# Altium PCB PCB2.PcbDoc (part 1 of 3) (continued)
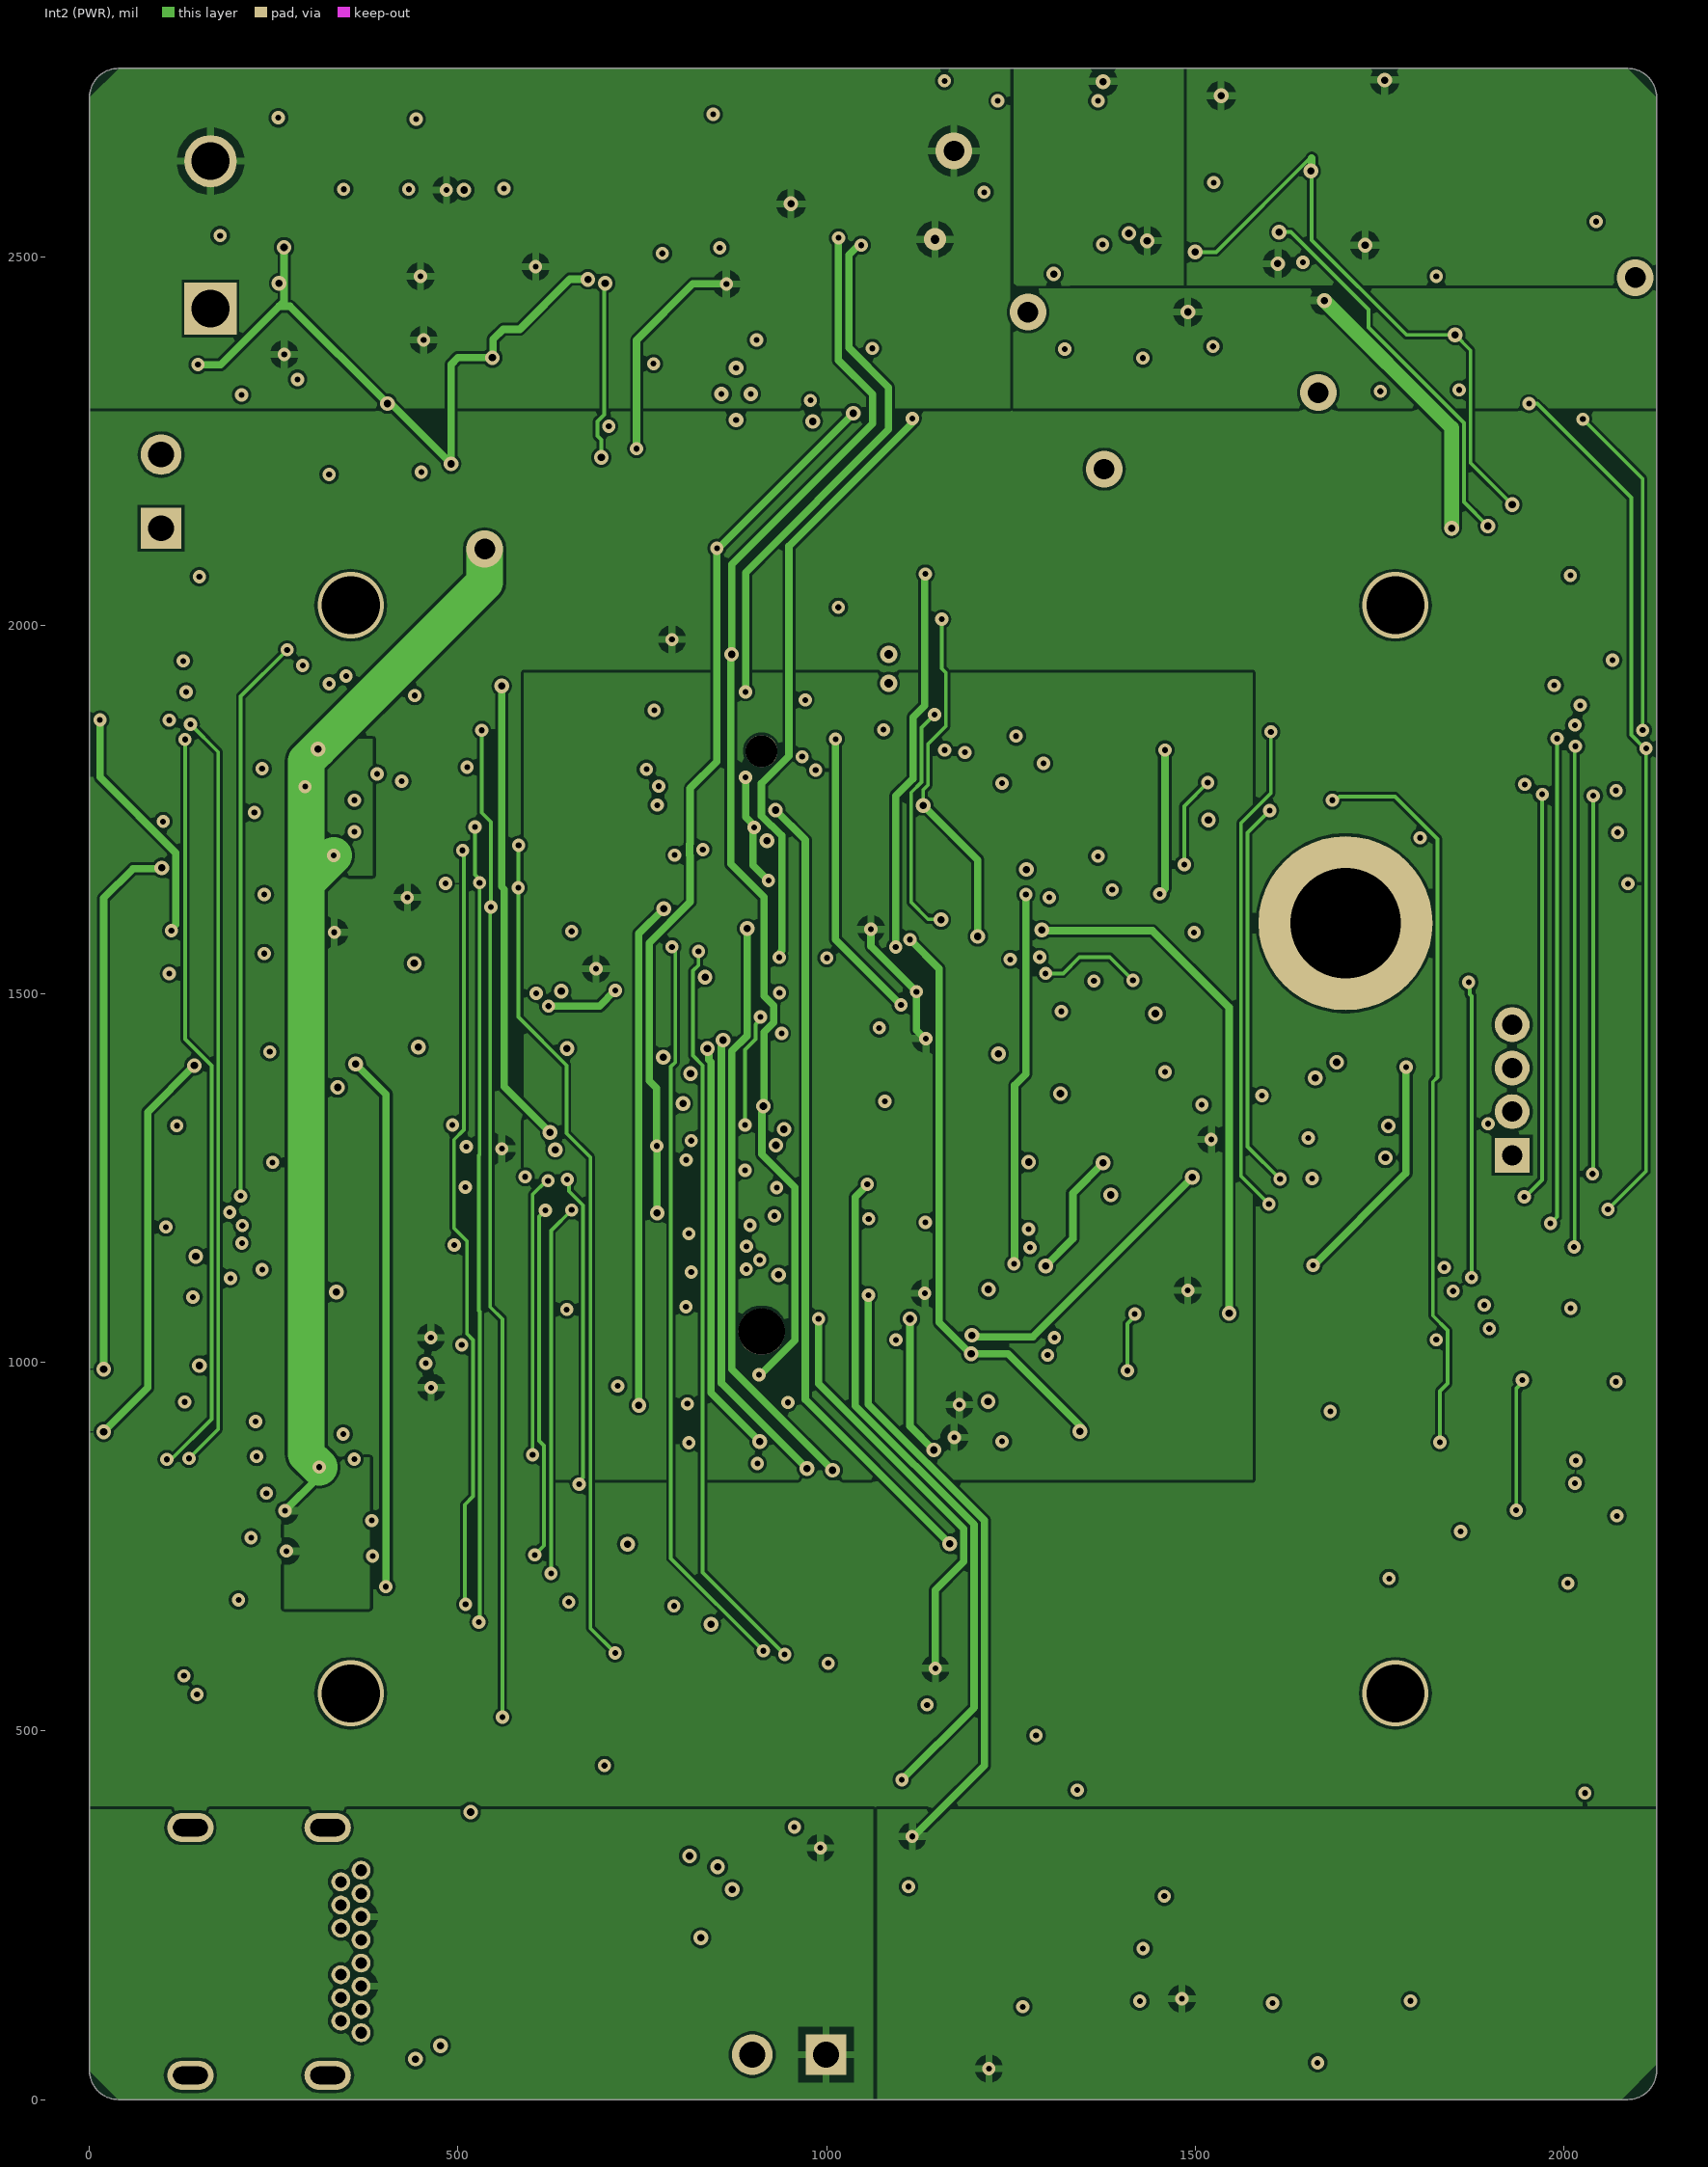
[diagram p3: Int2 (PWR)]
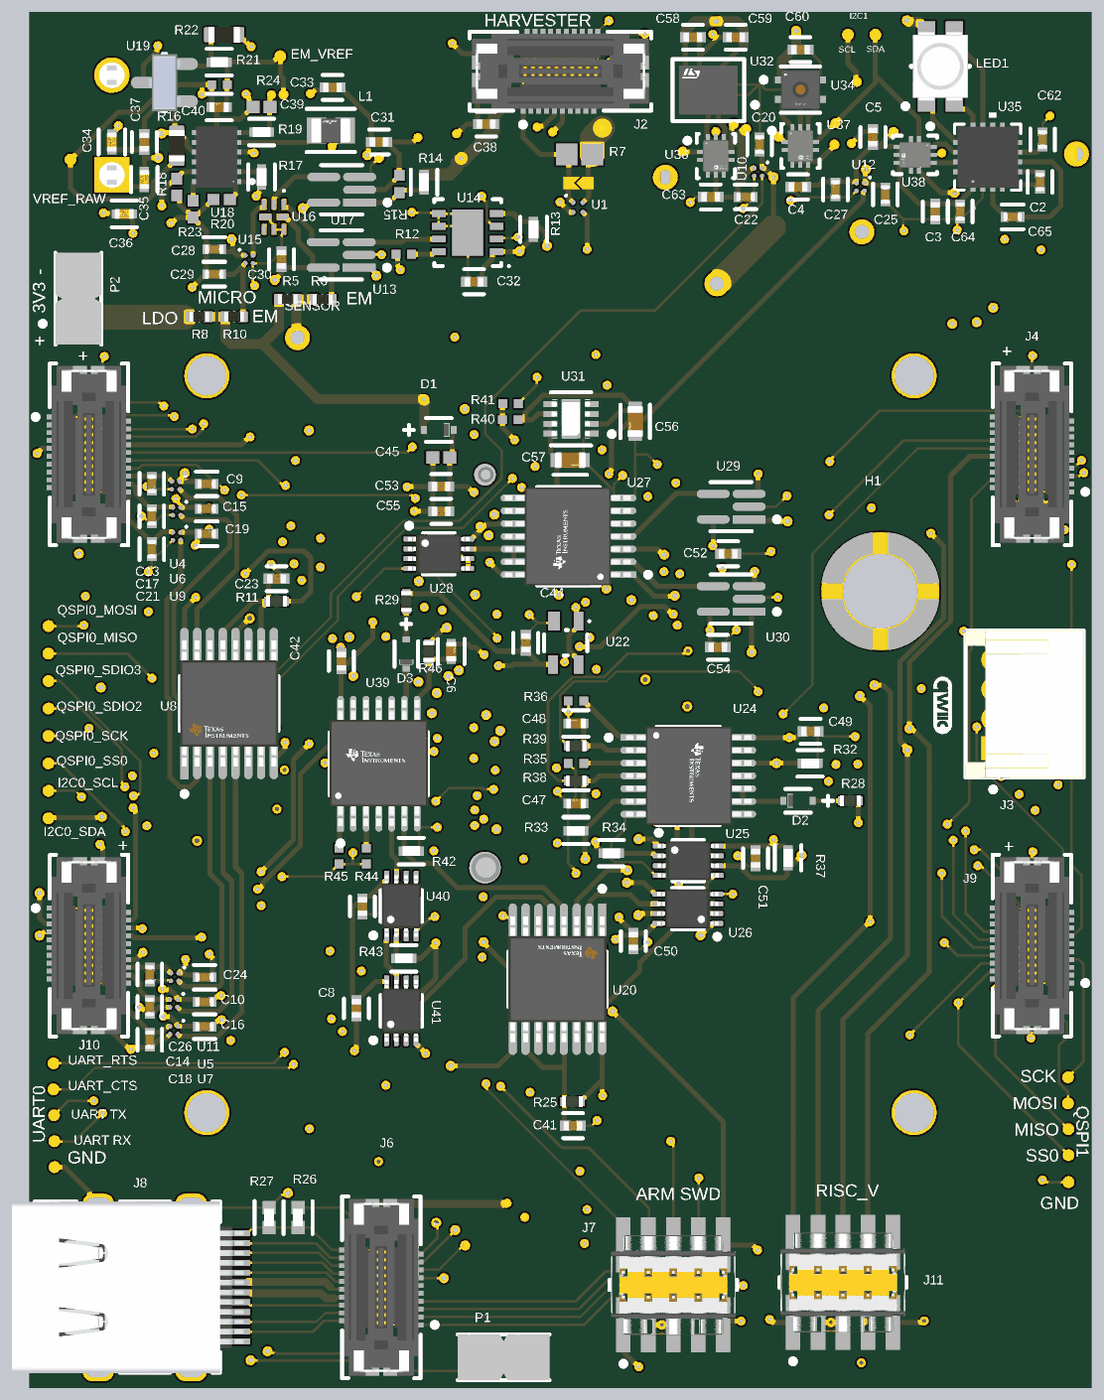
[diagram p6: 3D render of the assembled board from above, using the file's embedded part models]
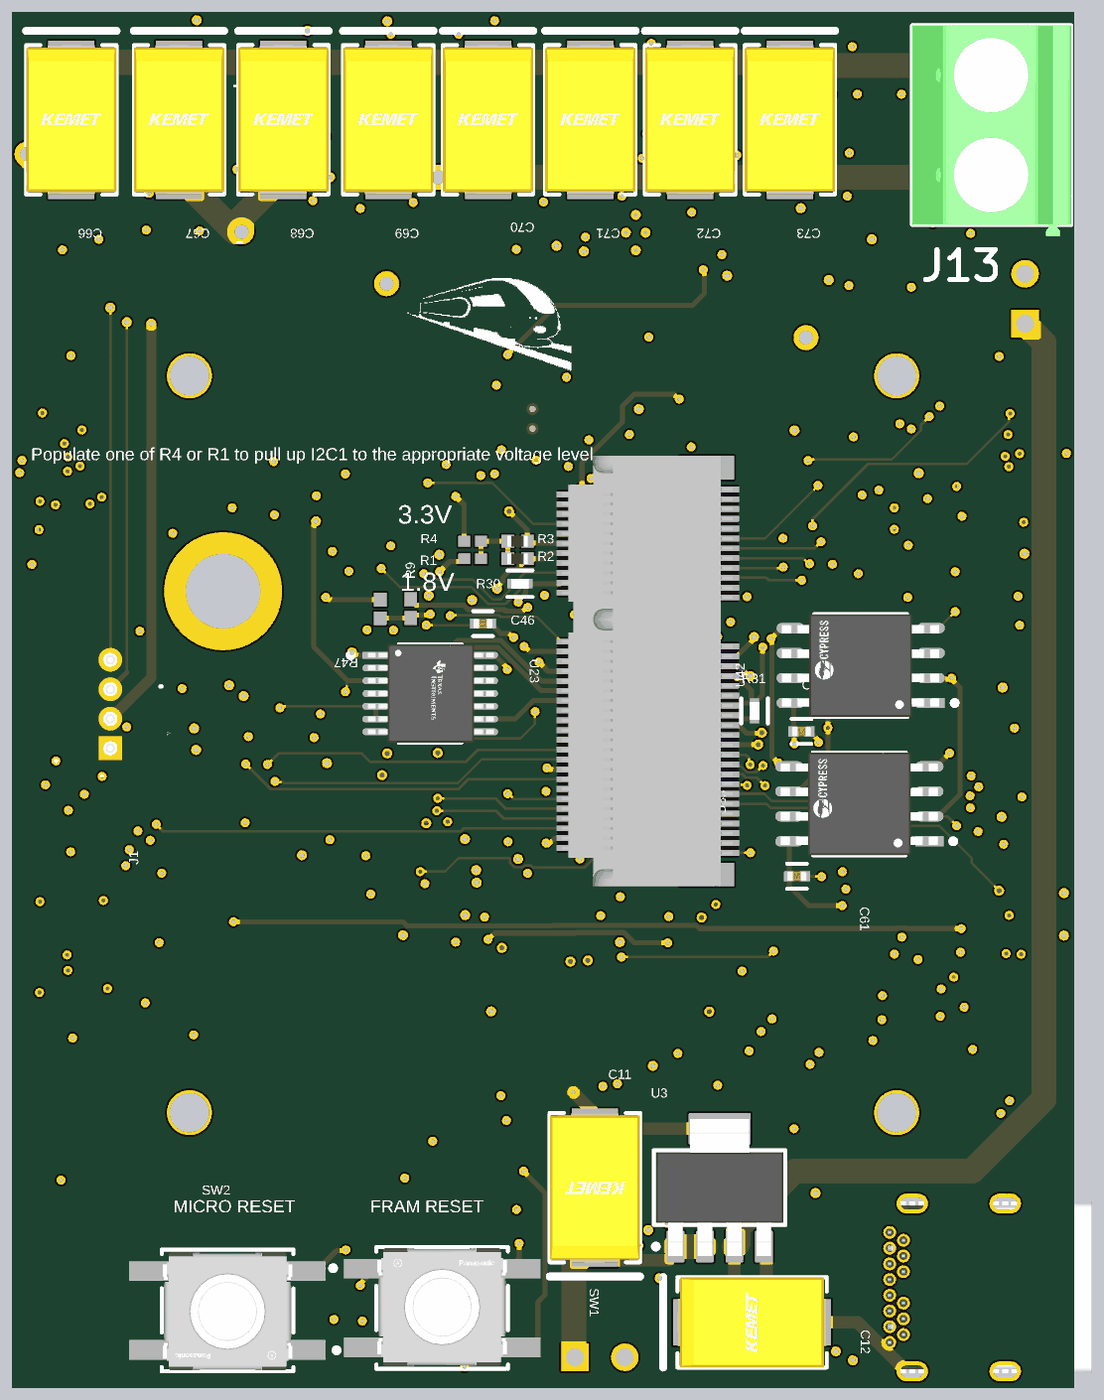
[diagram p7: 3D render of the assembled board from below, using the file's embedded part models]

## Layer stack, top to bottom
Top Solder: solder mask 1, SM-001, Dk 4
Top Layer: signal copper 1.378
Dielectric 1: prepreg 5.1, PP-017, Dk 4.3
Dielectric 2: prepreg 5.1, PP-017, Dk 4.3
Int1 (GND): signal copper 1.378
Dielectric 3: core 28, Core-039, Dk 4.8
Int2 (PWR): signal copper 1.378
Dielectric 4: prepreg 5.1, PP-017, Dk 4.3
Dielectric 5: prepreg 5.1, PP-017, Dk 4.3
Bottom Layer: signal copper 1.378
Bottom Solder: solder mask 1, SM-001, Dk 4

## Board outline
0,39.37 ccw(c39.37,39.37) 39.37,0 2086.61,0 ccw(c2086.61,39.37) 2125.98,39.37 2125.98,2716.54 ccw(c2086.61,2716.54) 2086.61,2755.91 39.37,2755.91 ccw(c39.37,2716.54) 0,2716.54

## Design rules (kind name [scope] priority, off if disabled: settings)
Clearance [All] p1: gap=4 ignorepadtopadclearanceinfootprint=TRUE
DiffPairsRouting [All] p1: maxlimit=10 minlimit=4 mostfreqgap=7.09 toplayer_minwidth=4 toplayer_maxwidth=20 toplayer_prefwidth=15.75 midlayer1_minwidth=4 midlayer1_maxwidth=20 midlayer1_prefwidth=15.75 midlayer2_minwidth=4 midlayer2_maxwidth=20 midlayer2_prefwidth=15.75 bottomlayer_minwidth=4 bottomlayer_maxwidth=20 bottomlayer_prefwidth=15.75 maxuncoupledlength=500
PolygonConnect [All] p1: connectstyle=Relief reliefconductorwidth=10 reliefentries=4 polygonreliefangle="90 Angle" airgapwidth=10
RoutingVias [All] p1: holewidth=10 width=20 viastyle="Through Hole" minholewidth=8 minwidth=18 maxholewidth=28 maxwidth=50
SolderMaskExpansion [All] p1: expansion=4 istentingtop=FALSE
Width [All] p1: maxlimit=50 minlimit=4 preferedwidth=5
29 further rules are at their usual default settings.

## Classes and differential pairs
component class U_HRT1: C6 C7 C8 C42 D3 R42 R43 R44 R45 R46 U39 U40 U41
component class TOP: C41 R9 R25 R26 R27 R47 U20
component class U_CHRT: * C44 C45 C46 D1 R28 R29 R30 R31 U22 U23
component class HRT: C47 C48 C49 C50 C51 D2 R32 R33 R34 R35 R36 R37 R38 R39 U24 U25 U26
component class Cascade: C52 C53 C54 C55 C56 C57 R40 R41 U27 U28 U29 U30 U31
component class U_Sensors: C1 C2 C3 C4 C5 C58 C59 C60 C61 C62 C63 C64 C65 LED1 U32 U33 U34 U35 U36 U37 U38 U42
component class U_em_storage: C28 C29 C30 C31 C32 C33 C34 C35 C36 C37 C38 C39 C40 L1 R12 R13 R14 R15 R16 R17 R18 R19 R20 R21 R22 R23 R24 U13 U14 U15 U16 U17 U18 U19
component class U_Connectors: H1 I2C0_SCL I2C0_SDA J1 J2 J3 J4 J5 J6 J7 J8 J9 J10 J11 QSPI0_MISO qspi0_mosi QSPI0_SCK QSPI0_SDIO2 QSPI0_SDIO3 QSPI0_SS0 R1 R2 R3 R4 SW1 SW2 TP1 TP2 TP4 TP5 TP6 TP7 TP8 TP9 TP10 TP13 TP14 TP15 TP16 TP17 TP18 "UART RX" "UART TX" UART_CTS UART_RTS
component class U_Power: C9 C10 C11 C12 C13 C14 C15 C16 C17 C18 C19 C20 C21 C22 C23 C24 C25 C26 C27 C66 C67 C68 C69 C70 C71 C72 C73 em_vref J12 J13 P1 P2 R5 R6 R7 R8 R10 R11 U1 U3 U4 U5 U6 U7 U8 U9 U10 U11 U12 vref_raw
differential pair D: +D_P -D_N

## Components (designator, comment, footprint, x,y, rotation, side; value= is the part's Value field where it differs from the comment)
C1 "C0402C104K8PACTU" FP-C0402-BB-MFG 545.09,1314.94 r180 bottom value="0.10 μF"
C2 "GRT155R61C105KE01J" FP-GRM15-0_1-MFG 2024.09,2415.94 r270 top value=1uF
C3 "C0402C104K8PACTU" FP-C0402-BB-MFG 1814.09,2356.69 r270 top value="0.10 μF"
C4 "C0402C104K8PACTU" FP-C0402-BB-MFG 1539.09,2405.94 r180 top value="0.10 μF"
C5 "C0402C104K8PACTU" FP-C0402-BB-MFG 1689.09,2505.94 r90 top value="0.10 μF"
C6 "GRM155R71C224KA12D" FP-GRM155-0_05-IPC_C 844.09,1475.2 r90 top
C7 "C0402C104K8PACTU" FP-C0402-BB-MFG 666.2,964.46 r270 top value="0.10 μF"
C8 "C0402C104K8PACTU" FP-C0402-BB-MFG 654.09,760.2 r270 top value="0.10 μF"
C9 "GRT155R61C105KE01J" FP-GRM15-0_1-MFG 354.09,1810.94 r180 top value=1uF
C10 "GRT155R61C105KE01J" FP-GRM15-0_1-MFG 350.09,772.94 r0 top value=1uF
C11 "T491D106K025AT" KEMT-T491-D_L 959.09,400.94 r90 bottom
C12 "T491D106K025AT" KEMT-T491-D_L 644.09,130.94 r180 bottom
C13 "GRT155R61C105KE01J" FP-GRM15-0_1-MFG 244.09,1810.94 r270 top value=1uF
C14 "GRT155R61C105KE01J" FP-GRM15-0_1-MFG 240.09,762.94 r90 top value=1uF
C15 "GRT155R61C105KE01J" FP-GRM15-0_1-MFG 354.09,1760.94 r0 top value=1uF
C16 "GRT155R61C105KE01J" FP-GRM15-0_1-MFG 350.09,723.44 r0 top value=1uF
C17 "GRT155R61C105KE01J" FP-GRM15-0_1-MFG 244.09,1745.94 r90 top value=1uF
C18 "GRT155R61C105KE01J" FP-GRM15-0_1-MFG 240.09,697.2 r90 top value=1uF
C19 "GRT155R61C105KE01J" FP-GRM15-0_1-MFG 354.09,1710.94 r0 top value=1uF
C20 "GRT155R61C105KE01J" FP-GRM15-0_1-MFG 1462.09,2491.06 r90 top value=1uF
C21 "GRT155R61C105KE01J" FP-GRM15-0_1-MFG 244.09,1680.2 r90 top value=1uF
C22 "GRT155R61C105KE01J" FP-GRM15-0_1-MFG 1434.09,2385.94 r180 top value=1uF
C23 "C0402C104K8PACTU" FP-C0402-BB-MFG 494.09,1620.94 r180 top value="0.10 μF"
C24 "GRT155R61C105KE01J" FP-GRM15-0_1-MFG 350.09,822.44 r0 top value=1uF
C25 "GRT155R61C105KE01J" FP-GRM15-0_1-MFG 1714.09,2390.94 r270 top value=1uF
C26 "GRT155R61C105KE01J" FP-GRM15-0_1-MFG 240.09,827.94 r90 top value=1uF
C27 "GRT155R61C105KE01J" FP-GRM15-0_1-MFG 1614.09,2400.94 r90 top value=1uF
C28 "GRT155R61C105KE01J" FP-GRM15-0_1-MFG 369.09,2280.94 r180 top value=1uF
C29 "GRT155R61C105KE01J" FP-GRM15-0_1-MFG 369.09,2230.94 r0 top value=1uF
C30 "C0402C104K8PACTU" FP-C0402-BB-MFG 504.09,2260.94 r90 top value="0.10 μF"
C31 "C0402C104K8PACTU" FP-C0402-BB-MFG 699.35,2495.94 r0 top value="0.10 μF"
C32 "C0402C104K8PACTU" FP-C0402-BB-MFG 889.84,2215.94 r180 top value="0.10 μF"
C33 "C0402C104K8PACTU" FP-C0402-BB-MFG 606.19,2605.29 r180 top value="0.10 μF"
C34 "04024D226MAT2A" FP-CL05A226MQ5N6J8-IPC_C 164.09,2495.94 r90 top value=22uF
C35 "04024D226MAT2A" FP-CL05A226MQ5N6J8-IPC_C 229.09,2420.94 r270 top value=22uF
C36 "04024D226MAT2A" FP-CL05A226MQ5N6J8-IPC_C 189.09,2351.94 r0 top value=22uF
C37 "C0402C104K8PACTU" FP-C0402-BB-MFG 229.09,2495.94 r90 top value="0.10 μF"
C38 "C0402C104K4RACTU" FP-C0402-BB-MFG 914.09,2531.94 r180 top value="0.10 μF"
C39 "C0402C225M9PACTU" CAPC1005X55X30NL05T10 464.09,2565.94 r0 top
C40 "GRM155R71H103KA88D" FP-GRM155-0_05-IPC_C 379.09,2565.94 r180 top
C41 "C0402C104K8PACTU" FP-C0402-BB-MFG 1088.09,524.94 r180 top value="0.10 μF"
C42 "C0402C104K8PACTU" FP-C0402-BB-MFG 624.09,1455.94 r90 top value="0.10 μF"
C44 "C0402C104K8PACTU" FP-C0402-BB-MFG 993.61,1492.52 r90 top value="0.10 μF"
C45 "ZRB15XR61A106ME01D" CAPC1005X55X25NL05T10 824.21,1864.01 r0 top
C46 "C0402C104K8PACTU" FP-C0402-BB-MFG 1183.35,1530.94 r180 bottom value="0.10 μF"
C47 "GRM155R71C224KA12D" FP-GRM155-0_05-IPC_C 1094.09,1170.44 r180 top
C48 "GRM155R71C224KA12D" FP-GRM155-0_05-IPC_C 1094,1330.94 r180 top
C49 "C0402C104K8PACTU" FP-C0402-BB-MFG 1564.15,1315.07 r0 top value="0.10 μF"
C50 "C0402C104K8PACTU" FP-C0402-BB-MFG 1209.09,894.94 r270 top value="0.10 μF"
C51 "C0402C104K8PACTU" FP-C0402-BB-MFG 1454.09,1060.94 r270 top value="0.10 μF"
C52 "C0402C104K8PACTU" FP-C0402-BB-MFG 1399.09,1670.94 r180 top value="0.10 μF"
C53 "C0402C104K8PACTU" FP-C0402-BB-MFG 823.86,1805.78 r180 top value="0.10 μF"
C54 "C0402C104K8PACTU" FP-C0402-BB-MFG 1378.42,1483.7 r180 top value="0.10 μF"
C55 "C0402C104K8PACTU" FP-C0402-BB-MFG 824.09,1755.94 r180 top value="0.10 μF"
C56 "GRM188R71A225KE15D" FP-GRM188-0_1-e0_2_0_5-MFG 1212.76,1936.1 r270 top
C57 "GRM188R71A225KE15D" FP-GRM188-0_1-e0_2_0_5-MFG 1082.76,1858.6 r0 top
C58 "C0402C104K8PACTU" FP-C0402-BB-MFG 1328.35,2705.94 r180 top value="0.10 μF"
C59 "C0402C104K8PACTU" FP-C0402-BB-MFG 1414.09,2705.94 r180 top value="0.10 μF"
C60 "C0402C104K8PACTU" FP-C0402-BB-MFG 1544.09,2680.94 r0 top value="0.10 μF"
C61 "C0402C104K8PACTU" FP-C0402-BB-MFG 554.27,1024.9 r180 bottom value="0.10 μF"
C62 "GRT155R61C105KE01J" FP-GRM15-0_1-MFG 2029.09,2500.94 r90 top value=1uF
C63 "C0402C104K8PACTU" FP-C0402-BB-MFG 1364.09,2385.94 r180 top value="0.10 μF"
C64 "GRT155R61C105KE01J" FP-GRM15-0_1-MFG 1864.09,2356.69 r90 top value=1uF
C65 "GRT155R61C105KE01J" FP-GRM15-0_1-MFG 1969.09,2345.94 r180 top value=1uF
C66 "T491D106K025AT" KEMT-T491-D_L 2008.22,2540.43 r270 bottom
C67 "T491D106K025AT" KEMT-T491-D_L 1792.56,2540.43 r270 bottom
C68 "T491D106K025AT" KEMT-T491-D_L 1583.22,2540.59 r270 bottom
C69 "T491D106K025AT" KEMT-T491-D_L 1373.22,2540.43 r270 bottom
C70 "T491D106K025AT" KEMT-T491-D_L 1173.22,2540.43 r270 bottom
C71 "T491D106K025AT" KEMT-T491-D_L 968.22,2540.59 r270 bottom
C72 "T491D106K025AT" KEMT-T491-D_L 768.22,2540.43 r270 bottom
C73 "T491D106K025AT" KEMT-T491-D_L 568.22,2540.59 r270 bottom
D1 "CDBU40" FP-S8-V-3880_02-001-MFG 819.21,1919.01 r0 top value=4pF
D2 "CDBU40" FP-S8-V-3880_02-001-MFG 1539.09,1175.94 r180 top value=4pF
D3 "CDBU40" FP-S8-V-3880_02-001-MFG 754.09,1470.2 r270 top value=4pF
EM_VREF "TPAD6R" TP06R 501.56,2667.83 r90 top (schematic designator TP19)
H1 "9774025151R" STAND-OFF-REFLOW-M2-5 1704.09,1595.94 r0 top
I2C0_SCL "TPAD6R" TP06R 37.09,1195.94 r270 top (schematic designator TP15)
I2C0_SDA "TPAD6R" TP06R 37.09,1140.94 r270 top (schematic designator TP16)
J1 "2199230-4" M-2-CONNECTOR-E 911.77,1435.78 r90 bottom
J2 "2039560203" Molex_0_MFG 1062.99,2637.8 r0 top
J3 "S4B-ZR(LF)(SN)" FP-S4B-ZR_LF_SN-MFG 1993.09,1369.94 r90 top
J4 "2039560203" Molex_0_MFG 2007.87,1870.08 r90 top
J5 "2039560203" Molex_0_MFG 118.11,1870.08 r270 top
J6 "2039560203" Molex_0_MFG 704.09,200.94 r90 top
J7 "FTSH-105-01-F-DV-K-P-TR" FP-FTSH-105-01-F-DV-K-P-T-MFG 1289.09,206.06 r0 top
J8 "632723300011" 632723300011 184.09,200.94 r270 top
J9 "2039560203" Molex_0_MFG 2007.87,885.83 r90 top
J10 "2039560203" Molex_0_MFG 118.11,885.83 r270 top
J11 "FTSH-105-01-F-DV-K-P-TR" FP-FTSH-105-01-F-DV-K-P-T-MFG 1629.09,210.94 r0 top
J12 "JUMPER" JUMPER 1101.09,2413.94 r90 top
J13 "1729128" PHOE-1729128-2_V 164.09,2529.94 r90 bottom
L1 "LQM21PN2R2NGCD" FP-LQM21PH_G0-IPC_C 602.7,2519.09 r180 top
LED1 "150141M173100" 3528_A 1824.31,2647.58 r90 top
P1 "5-146280-2" TECO-5-146280-2_V 949.09,60.94 r180 top
P2 "5-146280-2" TECO-5-146280-2_V 97.09,2181.94 r90 top
QSPI0_MISO "TPAD6R" TP06R 37.09,1470.94 r270 top (schematic designator TP2)
QSPI0_MOSI "TPAD6R" TP06R 37.09,1525.94 r270 top (schematic designator TP3)
QSPI0_SCK "TPAD6R" TP06R 37.09,1305.94 r270 top (schematic designator TP1)
QSPI0_SDIO2 "TPAD6R" TP06R 37.09,1360.94 r270 top (schematic designator TP4)
QSPI0_SDIO3 "TPAD6R" TP06R 37.09,1415.94 r270 top (schematic designator TP5)
QSPI0_SS0 "TPAD6R" TP06R 37.09,1250.94 r270 top (schematic designator TP6)
R1 "RC0402JR-070RL" RESC1005X40X25NL05T10 1204.09,1660.94 r180 bottom
R2 "RMCF0402JT4K70" RESC1005X40X25ML05T05 1114.09,1660.94 r0 bottom
R3 "RMCF0402JT4K70" RESC1005X40X25ML05T05 1114.09,1695.94 r0 bottom
R4 "RC0402JR-070RL" RESC1005X40X25NL05T10 1204.09,1695.94 r180 bottom
R5 "Jumper 0402" RESC0402(1005)_L 516.38,2180.94 r0 top value=0
R6 "Jumper 0402" RESC0402(1005)_L 586.66,2180.58 r180 top value=0
R7 "WSL0603R0300FEA18" RESC1508X46X38ML25T25 1101.09,2470.94 r180 top
R8 "Jumper 0402" RESC0402(1005)_L 339.09,2145.94 r0 top value=0
R9 "RC0402JR-075M6L" RESC1005X40X25ML05T10 1328.09,1560.94 r270 bottom
R10 "Jumper 0402" RESC0402(1005)_L 409.09,2145.94 r180 top value=0
R11 "ERJ-2RKF1000X" RESC1005X40X25LL05T05 494.09,1575.94 r0 top
R12 "RMCF0402JT2M00" RESC1005X40X25LL05T05 749.09,2270.94 r0 top
R13 "CRCW040210M0JNED" FP-CRCW0402-e3-IPC_C 1009.09,2320.94 r90 top
R14 "CRCW040210M0JNED" FP-CRCW0402-e3-IPC_C 789.65,2415.35 r90 top
R15 "ERJ-2RKF9093X" RESC1005X40X25NL05T05 740.09,2411.94 r270 top
R16 "Jumper 0603" RESC0603(1608)_L 294.09,2488.39 r270 top value=0
R17 "CRCW04020000Z0ED" FP-CRCW0402-e3-IPC_C 464.09,2425.94 r90 top
R18 "RC0402JR-070RL" RESC1005X40X25NL05T10 294.09,2405.94 r90 top
R19 "CRCW04020000Z0ED" FP-CRCW0402-e3-IPC_C 464.09,2515.94 r180 top
R20 "RC0402JR-070RL" RESC1005X40X25NL05T10 384.09,2380.94 r0 top
R21 "CRCW040210M0JNED" FP-CRCW0402-e3-IPC_C 379.09,2655.94 r180 top
R22 "Jumper 0603" RESC0603(1608)_L 389.09,2710.94 r180 top value=0
R23 "RC0402JR-070RL" RESC1005X40X25NL05T10 326.97,2361.49 r90 top
R24 "RMCF0402JT2M00" RESC1005X40X25LL05T05 379.84,2610.94 r0 top
R25 "ERJ-2RKF1000X" RESC1005X40X25LL05T05 1087.09,572.94 r0 top
R26 "CRCW04025K10FKED" FP-CRCW0402-e3-IPC_A 537.09,340.94 r90 top
R27 "CRCW04025K10FKED" FP-CRCW0402-e3-IPC_A 479.09,340.94 r90 top
R28 "RMCF0402FT10K0" RESC1005X40X25LL05T05 1644.09,1175.94 r180 top
R29 "ERJ-2RKF1000X" RESC1005X40X25LL05T05 754.09,1575.2 r270 top
R30 "CRCW040210M0JNED" FP-CRCW0402-e3-IPC_C 1109.09,1610.94 r180 bottom
R31 "CRCW040210M0JNED" FP-CRCW0402-e3-IPC_C 639.09,1355.94 r90 bottom
R32 "CRCW040210M0JNED" FP-CRCW0402-e3-IPC_C 1563.26,1250.94 r180 top
R33 "CRCW040210M0JNED" FP-CRCW0402-e3-IPC_C 1094.09,1115.94 r0 top
R34 "CRCW040210M0JNED" FP-CRCW0402-e3-IPC_C 1164.93,1070.94 r0 top
R35 "CRCW040222R0FKED" RESC1005X40X25LL05T05 1094.09,1250.94 r180 top
R36 "CRCW040222R0FKED" RESC1005X40X25LL05T05 1094.09,1375.94 r180 top
R37 "CRCW040210M0JNED" FP-CRCW0402-e3-IPC_C 1519.09,1061.78 r270 top
R38 "ERJ-2RKF1000X" RESC1005X40X25LL05T05 1094.09,1215.94 r180 top
R39 "ERJ-2RKF1000X" RESC1005X40X25LL05T05 1094.09,1285.94 r180 top
R40 "ERJ-2GEJ915X" RESC1005X40X25LL05T05 962.44,1939.5 r0 top
R41 "CRCW04022M40FKED" RESC1005X40X25LL05T05 963.04,1972.12 r0 top
R42 "CRCW040210M0JNED" FP-CRCW0402-e3-IPC_C 764.09,1075.2 r180 top
R43 "CRCW040210M0JNED" FP-CRCW0402-e3-IPC_C 749.09,860.2 r180 top
R44 "CRCW040222R0FKED" RESC1005X40X25LL05T05 674.09,1065.2 r270 top
R45 "CRCW040222R0FKED" RESC1005X40X25LL05T05 619.09,1065.2 r270 top
R46 "ERJ-2RKF1000X" RESC1005X40X25LL05T05 799.09,1475.2 r90 top
R47 "RMCF0402FT10K0" RESC1005X40X25ML05T10 1389.09,1560.24 r270 bottom
SW1 "EVQ-Q2F03W" FP-EVQ-Q2F03W-MFG 1265.24,159.69 r180 bottom
SW2 "EVQ-Q2F03W" FP-EVQ-Q2F03W-MFG 1695.24,154.69 r0 bottom
TP7 "TPAD6R" TP06R 2080.09,621.94 r90 top
TP8 "TPAD6R" TP06R 2080.09,569.94 r90 top
TP9 "TPAD6R" TP06R 2081.09,517.94 r90 top
TP10 "TPAD6R" TP06R 2081.09,465.94 r90 top
TP13 "TPAD6R" TP06R 1639.09,2710.94 r0 top
TP14 "TPAD6R" TP06R 1694.09,2710.94 r0 top
TP17 "TPAD6R" TP06R 2081.09,411.94 r90 top
TP18 "TPAD6R" TP06R 49.09,441.94 r90 top
U1 "MAX9634WERS+T" MAXM-R41A1+1 1098.09,2364.94 r0 top
U3 "LP3852EMP-3.3/NOPB" NDC0005A_L 709.09,400.94 r90 bottom
U4 "SC728CSTRT" "CSp 4" 291.97,1808.07 r270 top
U5 "SC728CSTRT" "CSp 4" 287.97,770.07 r270 top
U6 "SC728CSTRT" "CSp 4" 294.09,1755.94 r270 top
U7 "SC728CSTRT" "CSp 4" 288.31,716.15 r270 top
U8 "SN74HCS594QPWRQ1" FP-PW0016A-IPC_A 399.09,1370.94 r90 top
U9 "SC728CSTRT" "CSp 4" 294.09,1705.94 r270 top
U10 "SC728CSTRT" "CSp 4" 1459.09,2435.94 r270 top
U11 "SC728CSTRT" "CSp 4" 290.09,822.94 r270 top
U12 "SC728CSTRT" "CSp 4" 1664.09,2405.94 r270 top
U13 "TLV3691IDCKR" FP-DCK0005A-IPC_A 623.68,2269.76 r180 top
U14 "MAX5424ETA+T" MAXM-T833+2_V 877.17,2314.33 r180 top
U15 "SC728CSTRT" "CSp 4" 439.09,2260.94 r0 top
U16 "SN74AUP1G74RSER" RSE0008A_V 489.09,2345.94 r270 top
U17 "TLV3691IDCKR" FP-DCK0005A-IPC_A 624.65,2400.35 r180 top
U18 "XTPS61094DSSR" WSON_94DSSR_TEX-L 374.09,2465.94 r180 top
U19 "ISL21080DIH309Z-TK" Intersil_ISL21080DIH309Z-TK_0 269.42,2614.94 r90 top
U20 "SN74HCS594QPWRQ1" FP-PW0016A-IPC_A 1057.09,818.53 r270 top
U22 "S-1313A22-N4T1U3" SOT130P210X110-4N 1073.61,1492.52 r270 top
U23 "TS3A4751PWR" FP-PW0014A-IPC_C 1289.09,1390.94 r180 bottom
U24 "TS3A4751PWR" FP-PW0014A-IPC_C 1319.09,1225.94 r0 top
U25 "SN74AUP2G00DCUR" DCU0008A_L 1319.09,1055.94 r0 top
U26 "SN74AUP2G79DCUR" DCU0008A_L 1318.19,959.76 r180 top
U27 "TS3A4751PWR" FP-PW0014A-IPC_C 1079.09,1705.94 r180 top
U28 "SN74AUP2G79DCUR" DCU0008A_L 819.09,1670.94 r0 top
U29 "TLV3691IDCKR" FP-DCK0005A-IPC_A 1405.06,1765.35 r180 top
U30 "TLV3691IDCKR" FP-DCK0005A-IPC_A 1405.06,1580.35 r180 top
U31 "MCP1810T-12I/J8A" FP-C04-1207A-MFG 1084.09,1941.26 r180 top
U32 "ISM330DLCTR" FP-LGA-14L-DM00249496-MFG 1359.41,2600.02 r180 top
U33 "CY15B108QN-40SXI" FP-001-85261-IPC_C 429.27,1169.9 r0 bottom
U34 "SHTC3" FP-SHTC3-MFG 1544.09,2600.94 r0 top
U35 "MAX8647ETE+T" 21-0136_T1633+5_MXM-L 1919.25,2465.79 r90 top
U36 "ADG824BCPZ-REEL7" FP-CP-10-10-MFG 1374.39,2468.07 r0 top
U37 "ADG824BCPZ-REEL7" FP-CP-10-10-MFG 1543.8,2488.07 r0 top
U38 "ADG824BCPZ-REEL7" FP-CP-10-10-MFG 1773.49,2470.2 r270 top
U39 "TS3A4751PWR" FP-PW0014A-IPC_C 699.09,1250.2 r90 top
U40 "SN74AUP2G00DCUR" DCU0008A_L 744.09,965.2 r90 top
U41 "SN74AUP2G79DCUR" DCU0008A_L 744.09,755.2 r90 top
U42 "CY15B108QN-40SXI" FP-001-85261-IPC_C 426.44,1446.94 r0 bottom
"UART RX" "TPAD6R" TP06R 49.09,493.94 r270 top
"UART TX" "TPAD6R" TP06R 48.09,545.94 r270 top
UART_CTS "TPAD6R" TP06R 47.09,597.94 r90 top
UART_RTS "TPAD6R" TP06R 47.09,649.94 r90 top
VREF_RAW "TPAD6R" TP06R 81.21,2460.83 r90 top (schematic designator TP20)
